# Altium PCB Austindetz_CM4_Board_v1.0.PcbDoc (part 4 of 6) (continued)
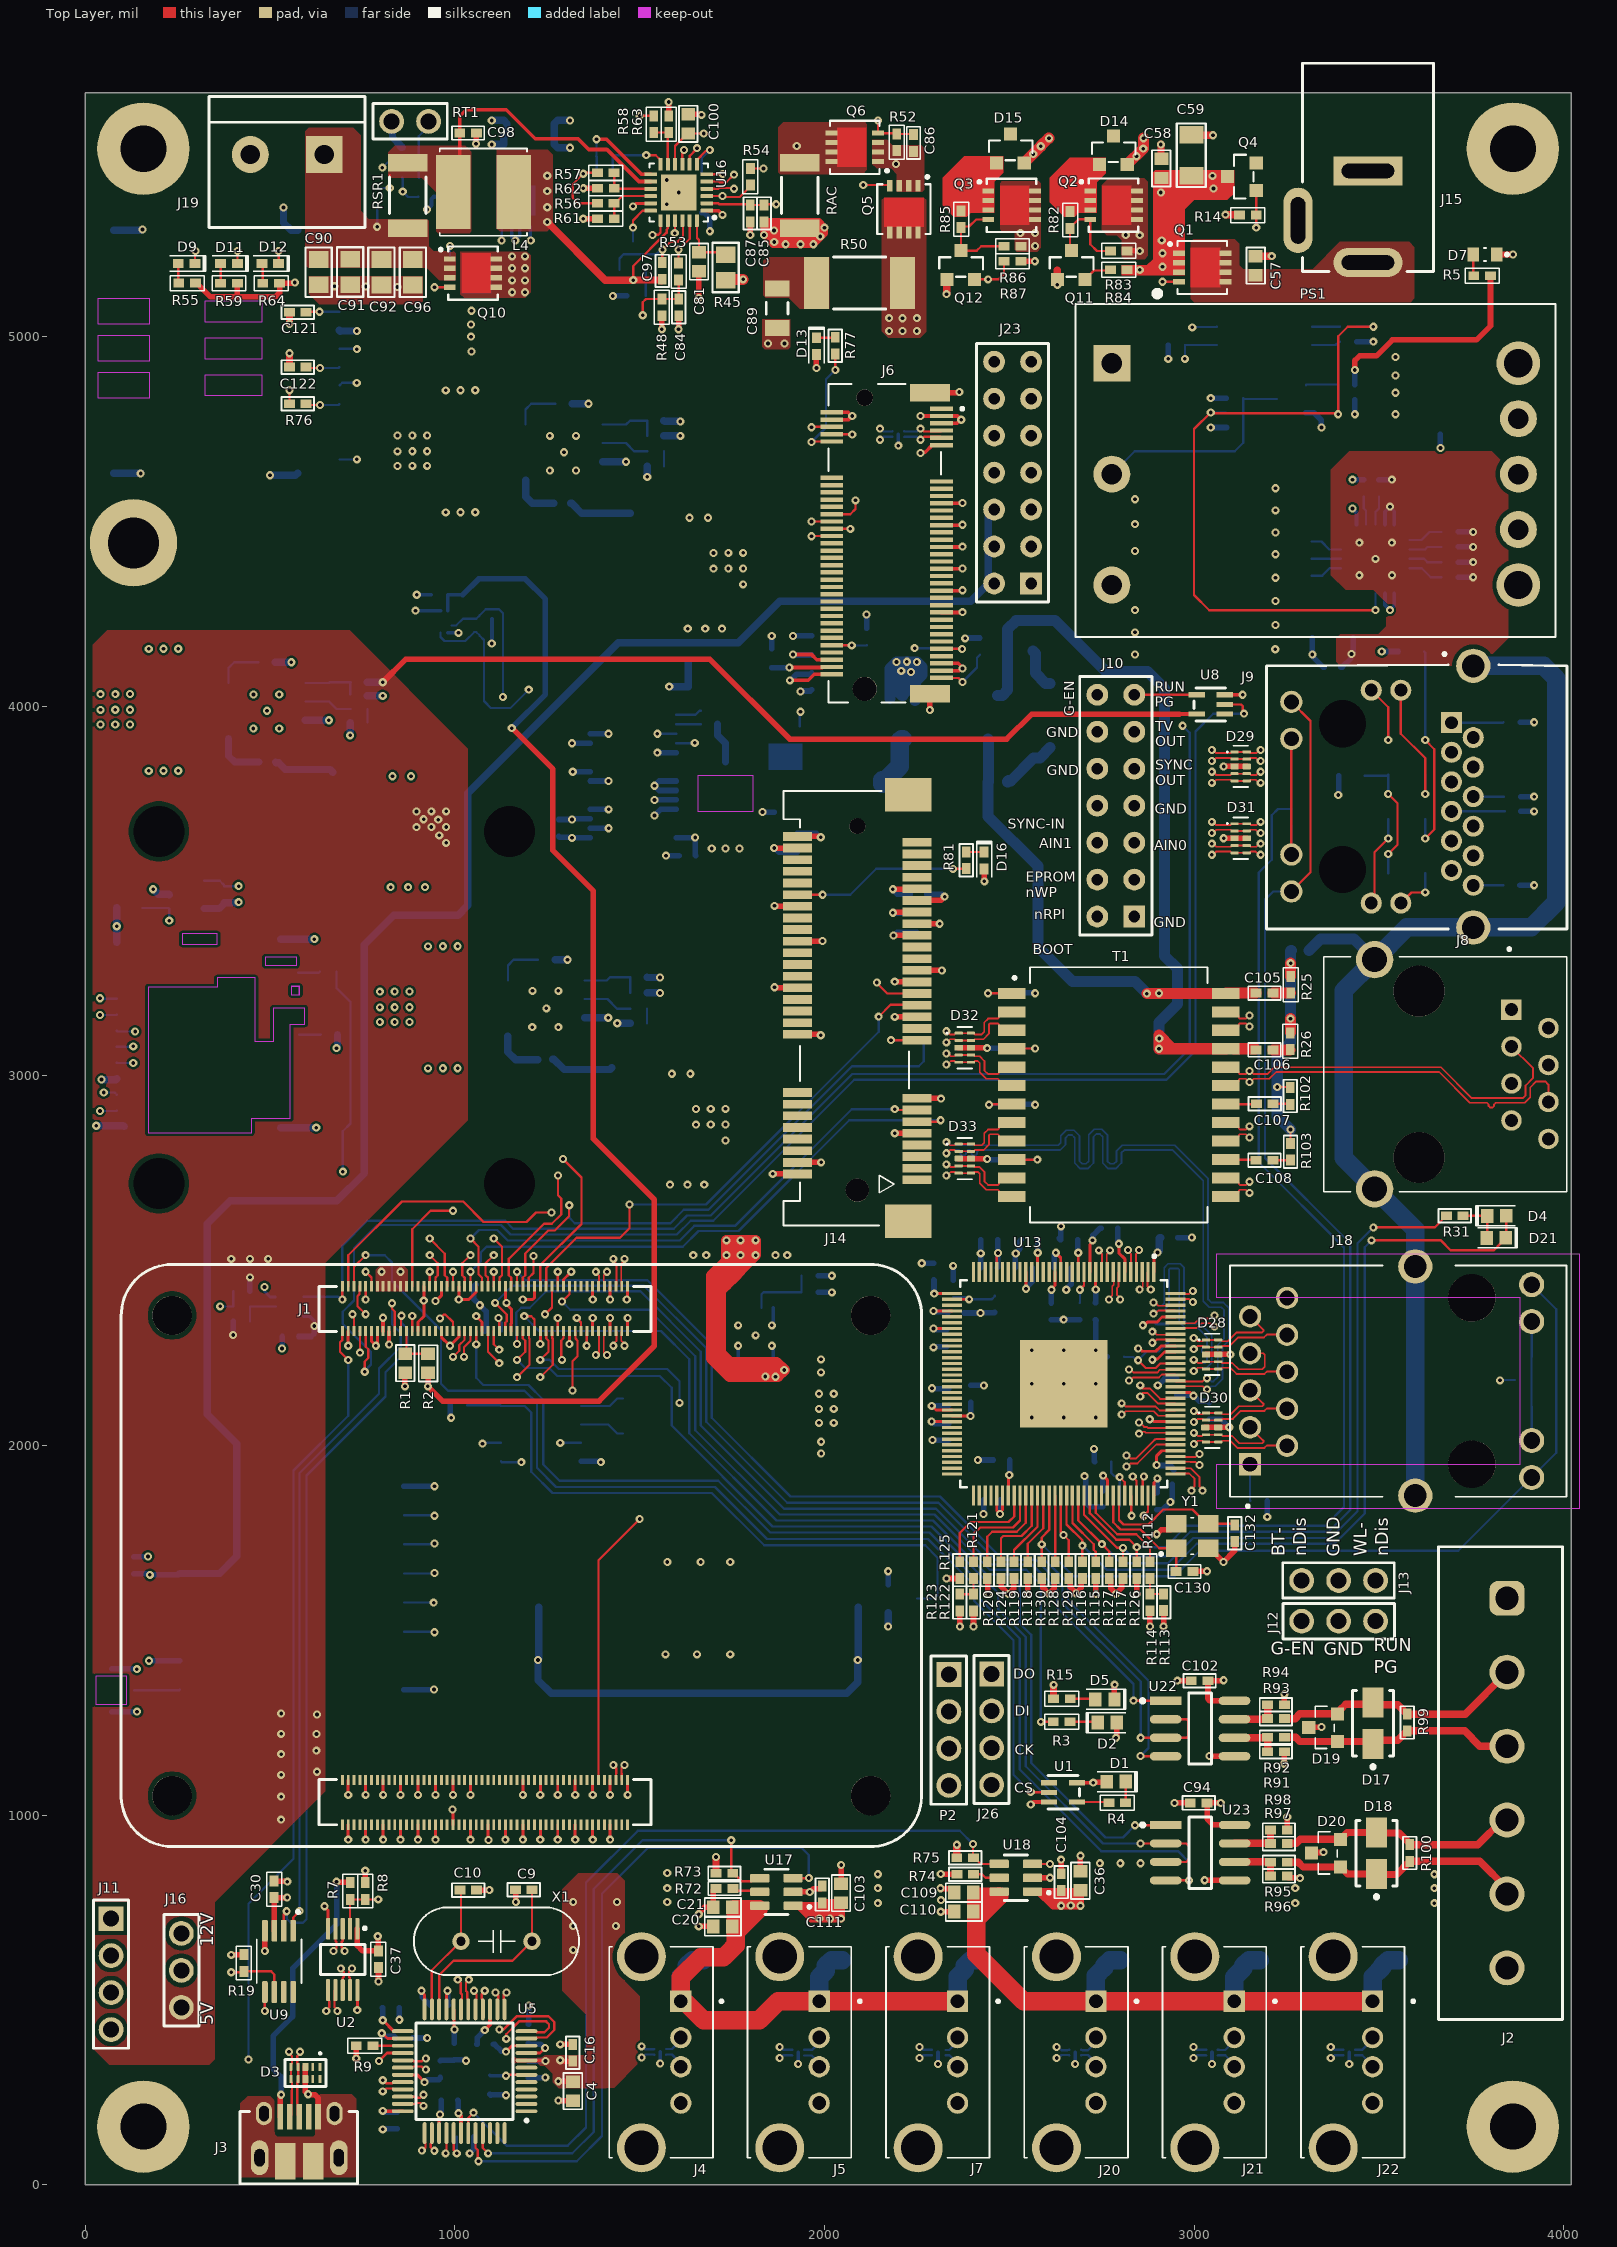
[diagram p0: Top Layer view]
## Nets (pads, with @x,y where several pads share a name; then routed paths per layer and width w, separated by ;. In a path a pad name is that pad's centre, name@x,y a point inside that pad or via, vN(x,y) a via of type N, cw(c..) or ccw(c..) an arc to the next point about the centre after c; other vN are vias at no path point) (continued)
  Bottom Layer w6.16: U11.5@1351.44,3257.8 1410.61,3257.8 1419.91,3267.11 R28.2@1474.48,3267.11 1474.48,3224.51 R29.1@1474.4,3224.43
NetR30_1: R30.1 U11.6 | length 133.8
  Bottom Layer w6.16: U11.6@1351.44,3207.8 1412.76,3207.8 1438.92,3181.64 R30.1@1474.4,3181.64
NetR34_1: R34.1 U3.18 | length 79.8
  Bottom Layer w6.16: R34.1@3318.07,4399.32 3318.63,4398.77 U3.18@3397.6,4398.77
NetR35_1: R35.1 U3.17 | length 87.8
  Bottom Layer w6.16: R35.1@3318.07,4353.16 3346.25,4353.16 3366.27,4373.18 U3.17@3397.6,4373.18
NetR39_1: R39.1 U3.7 | length 88.7
  Bottom Layer w6.16: U3.7@3583.43,4424.36 3624.28,4424.36 3630.89,4430.96 R39.1@3669.4,4430.96
NetR41_1: R41.1 U3.8 | length 89.6
  Bottom Layer w6.16: U3.8@3583.43,4398.77 3622.1,4398.77 3630.89,4389.98 R41.1@3669.4,4389.98
NetR42_1: R42.1 U3.19 | length 88.3
  Bottom Layer w6.16: R42.1@3318.07,4445.48 3344.41,4445.48 3365.53,4424.36 U3.19@3397.6,4424.36
NetR43_1: R43.1 U3.9 | length 96
  Bottom Layer w6.16: U3.9@3583.43,4373.18 3616.02,4373.18 3640.15,4349.05 R43.1@3669.4,4349.05
NetR44_2: R44.2 U12.1 | length 76.1
  Bottom Layer w6.16: U12.1@3318.8,5027.11 3394.52,5027.11 R44.2@3394.76,5026.87
NetR46_2: R46.2 R47.2 R51.1 RT1.1 | length 163.2
  Bottom Layer w6.16: R47.2@902.72,5430.17 902.24,5430.65 902.24,5470.71 902.24,5511.62 902.24,5542.11 928.85,5568.72 RT1.1@928.85,5582.17
NetR53_2: R53.2 U16.23 | length 127.7
  Top Layer w6.16: R53.2@1605.11,5198.73 v1(1605.11,5234.98) 1635.19,5265.06 U16.23@1635.19,5313.93
NetR54_2: R54.2 U16.3 | length 134.1
  Top Layer w6.16: U16.3@1681.85,5380.27 v1(1724.14,5380.27) 1726.51,5377.9 1770.78,5377.9 1799.91,5407.03 R54.2@1799.91,5409.98
NetR68_2: R68.2 U12.2 | length 79.8
  Bottom Layer w6.16: U12.2@3318.8,4977.11 3382.46,4977.11 3391.81,4986.46 R68.2@3394.76,4986.46
NetR69_2: R69.2 U12.3 | length 123
  Bottom Layer w6.16: v1(2974.91,4939.98) 2975.04,4940.11 R69.2@2975.04,4977.04 2975.11,4977.11 U12.3@3060.92,4977.11
NetR72_2: R72.2 U17.5 | length 76.8
  Top Layer w6.16: R72.2@1751.95,801.52 1758.06,795.4 1821.73,795.4 U17.5@1824.88,792.25
NetR74_2: R74.2 U18.5 | length 73.1
  Top Layer w6.16: R74.2@2403.3,839.86 2426.12,839.86 2435.39,830.6 U18.5@2472.59,830.6
NetR91_1: R91.1 R92.1 U22.6 | length 129.2
  Top Layer w20: U22.6@3109.18,1209.32 3197.42,1209.32 R92.1@3198.77,1210.66 R91.1@3198.77,1171.58
NetR93_1: R93.1 R94.1 U22.7 | length 127.5
  Top Layer w20: U22.7@3109.18,1259.32 3196.8,1259.32 R93.1@3198.77,1261.29 R94.1@3198.77,1298.43
NetR95_1: R95.1 R96.1 U23.6 | length 134.7
  Top Layer w20: U23.6@3109.49,873.53 3205.47,873.53 R96.1@3206.72,872.27 R95.1@3206.72,835.28
NetR97_1: R97.1 R98.1 U23.7 | length 134.1
  Top Layer w20: U23.7@3109.49,923.53 3206.25,923.53 R97.1@3206.72,923.05 R98.1@3206.72,959.69
NetR112_2: R112.2 R113.1 R114.1 | length 79.1
  Top Layer w6.16: R112.2@2880.46,1640.22 R114.1@2880.46,1598.2 2917.11,1598.2 R113.1@2917.38,1598.46
NetR121_2: R121.2 R122.1 R123.1 | length 79.3
  Top Layer w6.16: R123.1@2366.19,1597.89 R122.1@2403.14,1597.89 R121.2@2403.14,1640.22
NetR147_1: R147.1 U25.16 | length 66.6
  Bottom Layer w6.16: U25.16@1598.77,3951.3 1664.98,3951.3 R147.1@1665.29,3950.98
NetR149_1: R149.1 U25.15 | length 70.7
  Bottom Layer w6.16: U25.15@1598.77,3976.89 1650.87,3976.89 1661.96,3987.98 R149.1@1664.92,3987.98
NetR150_1: R150.1 R151.1 U25.18 | length 352.2
  03_SIg1 w20: v1(1580.07,4053.02) 1580.07,3969.82 v1(1648.91,3900.98)
  Bottom Layer w6.16: U25.18@1598.77,3900.12 1648.04,3900.12 v1(1648.91,3900.98)
  Bottom Layer w20: v1(1580.07,4053.02) R150.1@1630.97,4053.02 R151.1@1630.97,4123.25
NetU6_1: U6.1 X2.2 | length 121.7
  Bottom Layer w6.16: U6.1@1341.49,2107.13 1419.07,2107.13 1439.17,2127.22 X2.2@1454.91,2127.22
NetU6_2: U6.2 X2.1 | length 123.5
  Bottom Layer w6.16: U6.2@1341.49,2057.13 1414.78,2057.13 1439.17,2032.74 X2.1@1454.91,2032.74
nEXT-RST: J1.100 U5.40 | length 2908.6
  Top Layer w6.16: J1.100@695.66,2309.51 695.66,2285.46 689.33,2279.13 689.33,2253.44 v1(711.41,2231.36) ; v1(974.91,84.98) 977.11,87.18 U5.40@977.11,139.89
  03_SIg1 w5.61: v1(441.91,338.98) 469.91,310.98 724.91,310.98 747.91,287.98 747.91,137.98 840.91,44.98 934.91,44.98 v1(974.91,84.98)
  Bottom Layer w6.16: v1@441.91,339.29 441.91,760.25 563.4,881.74 563.4,1932.47 711.41,2080.48 v1(711.41,2231.36)
nPWR-LED: J1.95 U1.2 | length 3002.9
  Top Layer w6.16: J1.95@727.15,2430.77 727.15,2483.49 v1(758.65,2514.98) ; v1(2557.91,1062.98) 2558.57,1062.33 2606.67,1062.33 U1.2@2607.33,1061.67
  Bottom Layer w6.16: v1(758.65,2514.98) 810.33,2514.98 829.91,2495.4 829.91,2444.98 962.66,2312.23 962.66,2167.23 981.57,2148.32 1188.66,2148.32 1222.16,2114.82 1222.16,1939.73 1273.82,1888.08 1703.68,1888.08 1844.36,1747.4 2279.7,1747.4 2405.39,1621.71 2405.39,1579.49 2511.59,1473.29 2511.59,1109.3 v1(2557.91,1062.98)
nRPI-BOOT: J1.93 J10.2 | length 3280.9
  Top Layer w6.16: J1.93@742.9,2430.77 742.05,2429.91 742.05,2409.6 736.57,2404.13 736.57,2377.06 v1(758.65,2354.98)
  03_SIg1 w5.61: v1(758.65,2354.98) 736.85,2376.79 708.05,2376.79 673.14,2341.87 673.14,2197.08 772.23,2097.98 1399.44,2097.98 1536.05,2234.59 1536.05,2463.88 1838.13,2765.97 1838.13,3017.09 2015.64,3194.6 2337.64,3194.6 2574.15,3431.11 J10.2@2738.04,3431.11
nRTC-INT: C18.1 R16.1 U6.3 | length 1205.5
  03_SIg1 w5.61: v1(364.91,2376.4) 463.5,2376.4 794.22,2045.68 1246.36,2045.68 v1(1284.91,2007.13)
  Bottom Layer w6.16: v1(364.91,2376.4) C18.1@400.15,2376.4 R16.1@400.15,2417.14 ; v1(1284.91,2007.13) U6.3@1341.49,2007.13
OVCJ1: R73.1 U5.45 U17.4 | length 1631
  Top Layer w6.16: U5.45@1075.53,139.88 1075.53,99.36 v1(1089.91,84.98) ; v1(1747.53,932.17) 1747.53,847.06 1760.53,834.06 1763.6,834.06 1776.41,821.24 1802.09,821.24 1810.51,829.66 U17.4@1824.88,829.66
  Bottom Layer w6.16: v1(1089.91,84.98) 1317.84,84.98 1375.89,143.04 1375.89,800.28 1507.78,932.17 v1(1747.53,932.17)
OVCJ5: R75.1 U5.43 U18.4 | length 2319.2
  Top Layer w6.16: U5.43@1036.16,139.88 1036.16,180.8 v1(1050.54,195.18) ; v1(2401.62,921.9) 2401.62,885.97 R75.1@2403.15,884.43 2406.1,884.43 2422.54,868 U18.4@2472.59,868
  Bottom Layer w6.16: v1(1050.54,195.18) 1139.76,105.96 1305.6,105.96 1354.91,155.26 1354.91,817.5 1495.12,957.71 2365.81,957.71 v1(2401.62,921.9)
P0LED0: R112.1 U13.86 | length 270.3
  Top Layer w6.16: U13.86@2733.67,1864.76 2733.67,1818.27 2791.96,1759.98 2843.65,1759.98 2880.46,1723.17 R112.1@2880.46,1685.5
P0LED1: R104.1 R126.1 U13.85 | length 2899
  Top Layer w6.16: U13.85@2717.93,1864.76 2717.93,1816.95 2789.49,1745.4 2824.49,1745.4 v1(2844.83,1725.07) R126.1@2844.83,1685.5
  Bottom Layer w6.16: v1(2844.83,1725.07) 2922.43,1725.07 2980.05,1782.68 3354.74,1782.68 3405.42,1833.36 3405.42,2535.87 3174.91,2766.38 3174.91,3549.98 3209.91,3584.98 3209.91,3704.98 3226.8,3721.87 R104.1@3262.49,3721.87
P0LED2: J9.17 J9.20 R117.1 U13.84 | length 3291.5
  Top Layer w6.16: U13.84@2702.18,1864.76 2702.18,1812.76 2791.64,1723.3 2807.66,1723.3 v1(2807.8,1723.16) R117.1@2807.8,1685.5 ; J9.20@3263.04,3498.96 3314.91,3550.83 3314.91,3960.09 J9.17@3263.04,4011.95
  Bottom Layer w6.16: v1(2807.8,1723.16) 2830.98,1699.98 2922.76,1699.98 2989.49,1766.71 3363.2,1766.71 3422.4,1825.9 3422.4,2547.5 3191.86,2778.03 3191.86,3476.94 3213.89,3498.96 J9.20@3263.04,3498.96
P1_N: FL1.C2 J4.3 | length 59.5
  Bottom Layer w6.23: FL1.C2@1571.06,351.51 1571.78,352.23 FL1.C2@1574.45,352.23 ; J4.3@1611.31,319.27 1601.26,329.32 1601.26,338.34 1587.33,352.27 FL1.C2@1574.48,352.27 ; FL1.C2@1574.45,352.23 FL1.C2@1574.48,352.27
P1_P: FL1.C1 J4.2 | length 56.9
  Bottom Layer w6.23: FL1.C1@1571.06,367.26 1587.19,367.26 1611.31,391.38 J4.2@1611.31,398.01
P1LED0: R115.1 U13.82 | length 205.6
  Top Layer w6.16: U13.82@2670.68,1864.76 2670.68,1790.58 2728.37,1732.9 2728.37,1717.94 2734.16,1712.14 R115.1@2734.16,1685.5
P1LED1: R31.1 R127.1 U13.83 | length 1981.4
  Top Layer w6.16: U13.83@2686.43,1864.76 2686.43,1797.28 v1(2750.45,1733.27) 2770.59,1713.12 R127.1@2770.59,1685.5 ; v1(3484.91,2589.98) 3485.74,2590.81 3651.43,2590.81 R31.1@3682.23,2621.61
  Bottom Layer w6.16: v1(2750.45,1733.27) 2802.21,1681.5 2929.43,1681.5 2997.91,1749.98 3369.91,1749.98 3441.91,1821.98 3441.91,2546.98 v1(3484.91,2589.98)
P1LED2: D4.1 D21.2 R116.1 U13.81 | length 2246.9
  Top Layer w6.16: U13.81@2654.93,1864.76 2654.93,1786.57 2697.67,1743.83 v1(2697.67,1729.22) R116.1@2697.67,1685.5 ; v1(3479.91,2554.98) 3667.54,2554.98 3694.57,2527.95 3810.68,2527.95 3829.15,2546.42 3829.65,2546.42 3844.54,2561.31 D4.1@3844.54,2621.54
  Bottom Layer w6.16: v1(2697.67,1729.22) 2762.62,1664.27 2936.86,1664.27 3007.13,1734.54 3379.91,1734.54 3461.58,1816.22 3461.58,2536.66 v1(3479.91,2554.98)
P2_N: FL3.C2 J5.3 | length 60.1
  Bottom Layer w6.23: FL3.C2@1944.45,349.91 1965.69,349.91 1985.62,329.98 J5.3@1985.62,319.27
P2_P: FL3.C1 J5.2 | length 63.1
  Bottom Layer w6.23: FL3.C1@1944.45,365.66 1945.17,364.94 1947.84,364.94 1947.87,364.9 1966.02,364.9 1985.62,384.5 J5.2@1985.62,398.01
P2LED0: R128.1 U13.79 | length 179.6
  Top Layer w6.16: U13.79@2623.44,1864.76 2624.24,1863.96 R128.1@2624.24,1685.5
P2LED1: R106.1 R129.1 U13.80 | length 1660.7
  Top Layer w6.16: U13.80@2639.19,1864.76 2639.19,1765.25 v1(2646.39,1758.05) 2661.02,1743.43 R129.1@2661.02,1685.5
  03_SIg1 w5.61: v1(2646.39,1758.05) 2676.61,1788.27 2933.2,1788.27 2963.91,1818.98 2963.91,1904.55 2978.23,1918.87 3038.58,1918.87 3048.86,1929.15 3048.86,1975.84 3067.91,1994.88 3165.09,1994.88 3219.39,2049.18 3330.92,2049.18 3458.02,2176.27 v1(3827.26,2176.27)
  Bottom Layer w6.16: v1(3827.26,2176.27) 3828.26,2177.28 R106.1@3867.68,2177.28
P2LED2: J18.11 J18.14 R130.1 U13.78 | length 2236.2
  Top Layer w6.16: R130.1@2587.49,1685.5 2587.49,1750.96 2607.69,1771.16 U13.78@2607.69,1864.76
  Bottom Layer w6.16: v1(2587.69,1732.63) 2673.69,1646.64 2946.56,1646.64 3014.91,1714.98 3714.67,1714.98 3979.91,1980.22 3979.91,2368.54 J18.14@3913.24,2435.21
P3_N: FL8.C2 J7.3 | length 51
  Bottom Layer w6.23: FL8.C2@2327.49,350.45 2338.4,350.45 2349.89,338.96 2349.89,329.32 J7.3@2359.94,319.27
P3_P: FL8.C1 J7.2 | length 52.8
  Bottom Layer w6.23: FL8.C1@2327.49,364.68 2337.73,364.68 2349.89,376.84 2349.89,387.96 J7.2@2359.94,398.01
P3LED0: R118.1 U13.77 | length 196.6
  Top Layer w6.16: R118.1@2550.18,1685.5 2550.18,1734.29 2591.94,1776.06 U13.77@2591.94,1864.76
P3LED1: R124.1 U13.75 | length 242.6
  Top Layer w6.16: R124.1@2477.44,1685.5 2477.44,1749.16 2483.28,1755 2532.63,1755 2560.45,1782.82 U13.75@2560.45,1864.76
P3LED2: R119.1 U13.76 | length 205.6
  Top Layer w6.16: R119.1@2512.72,1685.5 2512.72,1717.07 2576.19,1780.55 U13.76@2576.19,1864.76
P4_N: FL2.C2 J20.3 | length 63.3
  Bottom Layer w6.23: FL2.C2@2693.77,349.91 2694.75,350.89 2698.37,350.89 2698.82,351.34 2712.55,351.34 2734.25,329.64 J20.3@2734.25,319.27 ; J20.3@2735.16,342.78 J20.3@2738.02,342.78
P4_P: FL2.C1 J20.2 | length 62.4
  Bottom Layer w6.23: FL2.C1@2693.77,365.66 2694.75,364.68 2698.37,364.68 2698.82,364.22 2713.02,364.22 2734.25,385.45 J20.2@2734.25,398.01
P4LED0: R120.1 U13.74 | length 261.3
  Top Layer w6.16: R120.1@2440.48,1685.5 2440.48,1753.44 2453.71,1766.66 2520.05,1766.66 2544.7,1791.32 U13.74@2544.7,1864.76
P4LED1: R125.1 U13.72 | length 299.9
  Top Layer w6.16: R125.1@2366.19,1685.5 2366.19,1763.17 2395.92,1792.9 2497.94,1792.9 2513.2,1808.17 U13.72@2513.2,1864.76
P4LED2: R121.1 U13.73 | length 283.3
  Top Layer w6.16: R121.1@2403.14,1685.5 2403.14,1760.31 2421.16,1778.32 2509.87,1778.32 2528.95,1797.4 U13.73@2528.95,1864.76
P5_N: FL4.C2 J21.3 | length 61.8
  Bottom Layer w6.23: FL4.C2@3064.05,349.91 3064.78,350.63 FL4.C2@3067.44,350.63 ; FL4.C2@3067.46,350.65 3084,350.65 3108.56,326.09 J21.3@3108.56,319.27
P5_P: FL4.C1 J21.2 | length 63.6
  Bottom Layer w6.23: FL4.C1@3064.05,365.66 3064.78,364.94 3067.44,364.94 3067.5,364.88 3083.96,364.88 3108.56,389.48 J21.2@3108.56,398.01
P6_N: FL9.C2 J22.3 | length 62.6
  Bottom Layer w6.23: FL9.C2@3435.39,349.91 3436.12,350.63 3438.78,350.63 3438.82,350.67 3454.54,350.67 3482.88,322.33 J22.3@3482.88,319.27
P6_P: FL9.C1 J22.2 | length 64
  Bottom Layer w6.23: FL9.C1@3435.39,365.66 3436.12,364.94 3438.78,364.94 3438.82,364.9 3454.08,364.9 3472.83,383.64 3472.83,387.96 J22.2@3482.88,398.01
P7_N: FL5.C2 J6.9 | length 108.8
  Top Layer w6.23: v1(2259.91,4721.15) 2261.52,4721.15 2269.41,4729.03 2313.8,4729.03 J6.9@2316.53,4726.31
  Bottom Layer w6.23: FL5.C2@2215.66,4728.28 2216.38,4729 2219.04,4729 2219.08,4729.03 2250.41,4729.03 2258.3,4721.15 v1(2259.91,4721.15)
P7_P: FL5.C1 J6.7 | length 108.8
  Top Layer w6.23: v1(2259.91,4751.15) 2261.52,4751.15 2269.41,4743.26 2313.8,4743.26 J6.7@2316.53,4745.99
  Bottom Layer w6.23: FL5.C1@2215.66,4744.02 2216.38,4743.3 2219.04,4743.3 2219.08,4743.26 2250.41,4743.26 2258.3,4751.15 v1(2259.91,4751.15)
P_VDD: C79.1 C80.1 C95.1 C138.1 C139.1 D8.2 D25.1 FB1.2 L5.2 PS1.1 R5.1 R6.2 R34.2 R35.2 R37.1 R38.1 R42.2 U3.1 U25.28 | length 1529.9
  Top Layer w15: v1(3434.8,4909.98) 3434.8,4935.49 3447.46,4948.15 3493.08,4948.15 3536.3,4991.37 3763.86,4991.37 3801.8,5029.31 R5.1@3801.8,5164.43
  Bottom Layer w10: v1(3428.51,4535.11) 3439.34,4524.28 U3.1@3439.34,4491.68
  Bottom Layer w15: U25.28@1598.77,3644.21 1649.14,3644.21 v1(1649.91,3644.98) 1650.73,3644.16 1650.73,3596.69 C138.1@1651.56,3595.86 ; v1(1832.09,3714.1) 1832.47,3713.72 1864.02,3713.72 C139.1@1864.4,3713.33 ; v1(3044.91,4833.67) R38.1@3087.5,4833.67 ; D8.2@3319.79,4184.98 3319.79,4140.1 v1(3319.91,4139.98) 3321.25,4138.64 3321.25,4133.64 3349.12,4105.77 C95.1@3352.08,4105.77 ; v1(3428.51,4613.05) R6.2@3458.72,4613.05 ; v1(3434.8,4909.98) 3434.88,4909.91 R37.1@3434.88,4870.3 ; v1(3507.65,4148.2) FB1.2@3551.82,4148.2
  Bottom Layer w30: L5.2@2177.53,4020.84 2177.53,4102.61 v1(2194.91,4119.98) ; L5.2@2211.96,4029.04 L5.2@2209.41,4029.04 ; v1(2222.73,4120.38) v1@2222.73,4119.98 ; L5.2@2244.67,4015.82 2245.96,4017.11 2245.96,4066.57 ; v1(2194.91,4119.98) v1@2222.73,4119.98 ; v1(2194.91,4119.98) 2194.91,4043.54 L5.2@2209.41,4029.04 ; L5.2@2209.41,4029.04 2222.73,4042.36 v1@2222.73,4119.98 ; v1@2222.73,4119.98 v1(2249.91,4119.98) ; 2245.96,4066.57 2245.96,4116.03 v1(2249.91,4119.98) ; 2245.96,4066.57 2263.85,4084.46 2263.85,4106.04 v1(2249.91,4119.98)
  other v1: 1694.91,3614.98 1732.07,3614.98 1769.91,3614.98 2234.22,4092.88 2207.46,4095.73 3219.35,4154.37 3219.91,4219.98 3219.91,4284.98 3219.91,4347.59 3219.91,4411.13 3219.91,4469.98 3219.91,4529.98 3219.91,4589.98
PD_1_N: J8.2 T1.22 | length 1008.4
  Top Layer w4.88: T1.22@3085.74,3123.45 3108.18,3123.45 3120.7,3135.97 3120.7,3139.15 3123.56,3142.01 3139.91,3142.01 3148.47,3133.45 v1(3149.91,3133.45)
  03_SIg1 w4.44: v1(3149.91,3133.45) 3152.51,3133.45 3161.29,3142.23 3197.67,3142.23 3267.35,3072.54 3334.15,3072.54 3345.17,3072.54 3359.79,3087.16 3359.79,3110.87 3367.12,3118.2 3376.9,3118.2 3384.23,3110.87 3384.23,3087.16 3398.85,3072.54 3448.91,3072.54 3615.06,3072.54 3659.86,3117.34 3890.56,3117.34 3903.71,3130.49 3957.39,3130.49 J8.2@3958.47,3129.41
PD_1_P: J8.1 T1.23 | length 1007.9
  Top Layer w4.88: T1.23@3085.74,3173.45 3108.18,3173.45 3120.7,3160.93 3120.7,3157.75 3123.56,3154.89 3139.91,3154.89 3148.47,3163.45 v1(3149.91,3163.45)
  03_SIg1 w4.44: v1(3149.91,3163.45) 3152.51,3163.45 3161.29,3154.67 3202.82,3154.67 3272.5,3084.98 3334.15,3084.98 3340.02,3084.98 3347.35,3092.32 3347.35,3116.02 3361.97,3130.64 3382.05,3130.64 3396.67,3116.02 3396.67,3092.32 3404,3084.98 3448.91,3084.98 3609.91,3084.98 3654.71,3129.78 3784.91,3129.78 3787.13,3129.78 3791.46,3134.11 3791.46,3135.46 3795.79,3139.8 3801.57,3139.8 3805.9,3135.46 3805.9,3134.11 3810.23,3129.78 3814.95,3129.78 3885.41,3129.78 3894.91,3139.29 3894.91,3142.97 J8.1@3858.47,3179.41
PD_2_N: J8.6 T1.19 | length 1036.9
  Top Layer w4.88: T1.19@3085.74,2973.45 3108.18,2973.45 3120.7,2985.97 3120.7,2989.15 3123.56,2992.01 3139.91,2992.01 3148.47,2983.45 v1(3149.91,2983.45) 3152.77,2983.45 3161.33,2992.01 3203.58,2992.01 3222.14,3010.57 3662.59,3010.57 3746.06,2927.1 3774.91,2927.1 3792.23,2927.1 3796.69,2922.64 3796.69,2918.69 3801.16,2914.22 3807.11,2914.22 3811.57,2918.69 3811.57,2922.64 3816.04,2927.1 3820.19,2927.1 3894.33,2927.1 3909.51,2942.29 3909.51,2968.61 3925.88,2984.98 3949.91,2984.98 3958.47,2976.42 J8.6@3958.47,2929.41
PD_2_P: J8.3 T1.20 | length 1036.9
  Top Layer w4.88: T1.20@3085.74,3023.45 3108.18,3023.45 3120.7,3010.93 3120.7,3007.75 3123.56,3004.89 3139.91,3004.89 3148.47,3013.45 v1(3149.91,3013.45) 3152.77,3013.45 3161.33,3004.89 3198.24,3004.89 3216.8,3023.45 3667.93,3023.45 3751.39,2939.98 3888.99,2939.98 3896.63,2947.62 3896.63,2973.94 3916.36,2993.68 3916.36,3021.52 J8.3@3858.47,3079.41
PD_3_N: J8.5 T1.16 | length 1015
  Top Layer w4.88: T1.16@3085.74,2823.45 3108.18,2823.45 3120.7,2835.97 3120.7,2839.15 3123.56,2842.01 3139.91,2842.01 3148.47,2833.45 v1(3149.91,2833.45)
  03_SIg1 w4.44: v1(3149.91,2833.45) 3152.51,2833.45 3161.29,2842.23 3184.75,2842.23 3364.64,3022.13 3432.42,3022.13 3475.17,3022.13 3482.5,3014.79 3482.5,2999.65 3497.12,2985.04 3517.2,2985.04 3531.82,2999.65 3531.82,3014.79 3539.15,3022.13 3566.56,3022.13 3780.91,3022.13 3797.57,3022.13 3801.9,3017.79 3801.9,3016.44 3806.23,3012.11 3812.01,3012.11 3816.34,3016.44 3816.34,3017.79 3820.67,3022.13 3824.97,3022.13 3892.31,3022.13 3894.91,3019.52 3894.91,3015.85 J8.5@3858.47,2979.41
PD_3_P: J8.4 T1.17 | length 1015.5
  Top Layer w4.88: T1.17@3085.74,2873.45 3108.18,2873.45 3120.7,2860.93 3120.7,2857.75 3123.56,2854.89 3139.91,2854.89 3148.47,2863.45 v1(3149.91,2863.45)
  03_SIg1 w4.44: v1(3149.91,2863.45) 3152.51,2863.45 3161.29,2854.67 3179.59,2854.67 3359.49,3034.57 3432.42,3034.57 3480.32,3034.57 3494.94,3019.95 3494.94,3004.81 3502.27,2997.48 3512.05,2997.48 3519.38,3004.81 3519.38,3019.95 3534,3034.57 3566.56,3034.57 3897.46,3034.57 3903.71,3028.32 3957.39,3028.32 J8.4@3958.47,3029.41
PD_4_N: J8.8 T1.13 | length 1015.5
  Top Layer w4.88: T1.13@3085.74,2673.45 3108.18,2673.45 3120.7,2685.97 3120.7,2689.15 3123.56,2692.01 3139.91,2692.01 3148.47,2683.45 v1(3149.91,2683.45)
  03_SIg1 w4.44: v1(3149.91,2683.45) 3152.51,2683.45 3161.29,2692.23 3219.75,2692.23 3432.5,2904.98 3692.32,2904.98 3774.76,2822.54 3895.76,2822.54 3903.71,2830.49 3957.39,2830.49 J8.8@3958.47,2829.41
PD_4_P: J8.7 T1.14 | length 1015
  Top Layer w4.88: T1.14@3085.74,2723.45 3108.18,2723.45 3120.7,2710.93 3120.7,2707.75 3123.56,2704.89 3139.91,2704.89 3148.47,2713.45 v1(3149.91,2713.45)
  03_SIg1 w4.44: v1(3149.91,2713.45) 3152.51,2713.45 3161.29,2704.67 3214.59,2704.67 3427.35,2917.42 3697.47,2917.42 3779.91,2834.98 3793.82,2834.98 3796.05,2834.98 3800.38,2839.32 3800.38,2840.67 3804.71,2845 3810.49,2845 3814.82,2840.67 3814.82,2839.32 3819.15,2834.98 3825.01,2834.98 3890.61,2834.98 3894.91,2839.29 3894.91,2842.97 J8.7@3858.47,2879.41
PG: D12.2 U16.8 | length 1359.2
  Top Layer w6.16: D12.2@523.25,5198 v1(523.25,5231.65) ; U16.8@1635.19,5466.29 1635.19,5489.04 1654.91,5508.76 v1(1654.91,5509.98)
  03_SIg1 w5.61: v1(523.25,5231.65) 550.81,5259.21 813.16,5259.21 848.1,5294.15 1218.49,5294.15 1250.73,5261.91 1355.85,5261.91 1573.92,5479.98 1624.91,5479.98 v1(1654.91,5509.98)
PH: C97.1 L4.1 Q7.D Q8.S U16.20 | length 584
  Top Layer w6.16: v1(1482.68,5152.9) 1482.68,5191.26 1572.83,5281.41 1572.83,5289.13 1576.14,5292.44 U16.20@1576.14,5313.93 ; C97.1@1555.81,5150.18 C97.1@1560.89,5155.26
  Top Layer w20: v1(1249.99,5309.98) 1407.07,5152.9 v1(1482.68,5152.9) 1483.06,5153.28 1559.08,5153.28 C97.1@1559.08,5150.5
  other v1: 1249.91,5349.98 1249.99,5393.73 1249.99,5435.38
PLL0: C135.1 R110.1 U13.116 | length 262.1
  Top Layer w6.16: v1(2848.41,2230.56) 2869.07,2209.91 2896.06,2209.91 2908.27,2222.13 U13.116@2949.31,2222.13
  Bottom Layer w6.16: C135.1@2810.46,2239.83 C135.1@2810.34,2239.7 2834.99,2239.7 2844.13,2230.56 v1(2848.41,2230.56) 2871.92,2254.07 2904.39,2254.07 2930.46,2280.14 R110.1@2930.46,2283.09
PLL1: C136.1 R111.1 U13.34 | length 166.8
  Top Layer w6.16: U13.34@2344.81,2395.36 v1(2391.28,2395.36)
  Bottom Layer w6.16: R111.1@2348.38,2402.09 2380.26,2402.09 2386.99,2395.36 v1(2391.28,2395.36) 2451.86,2395.36 2460.59,2404.09 C136.1@2460.59,2405.76
POE_ACTIVE: Q9.1 R37.2 R40.1 R44.1 R70.1 U3.13 | length 1986.4
  Top Layer w6.16: v1(3484.91,5026.87) 3415.41,5026.87 3389.6,5001.07 v1(3389.6,4789.98) 3387.1,4792.48 3047.41,4792.48 v1(3044.91,4794.98) 2999.91,4749.98 2999.91,4300.85 3040.77,4259.98 v1(3490.52,4259.98)
  Bottom Layer w6.16: v1(3044.91,4794.98) 3085.62,4794.98 R40.1@3087.5,4793.1 ; Q9.1@3302.4,4868.84 3303.86,4870.3 R37.2@3389.6,4870.3 3389.6,4829.06 R70.1@3389.52,4828.98 3389.52,4790.06 v1(3389.6,4789.98) ; R44.1@3440.03,5026.87 v1(3484.91,5026.87) ; v1(3490.52,4259.98) U3.13@3490.52,4305.86
PR12: CD1.2 J9.13 | length 205.9
  Top Layer w6.16: J9.13@3479.18,4043.45 3525.13,3997.51 v1(3525.13,3908.52)
  Bottom Layer w6.16: v1(3525.13,3908.52) CD1.2@3525.13,3960.42
PR36: CD1.3 J9.14 | length 360.3
  Top Layer w6.16: J9.14@3559.11,4043.45 3559.11,3925.79 3625.13,3859.77 v1(3625.13,3762.63)
  Bottom Layer w6.16: v1(3625.13,3762.63) CD1.3@3625.13,3814.75
PR45: CD2.2 J9.15 | length 245.6
  Top Layer w6.16: J9.15@3479.18,3467.46 3479.18,3475.36 3488,3484.18 3488,3604.99 v1(3525.13,3642.12)
  Bottom Layer w6.16: v1(3525.13,3642.12) CD2.2@3525.13,3694.02
PR78: CD2.3 J9.16 | length 129.9
  Top Layer w6.16: J9.16@3559.11,3467.46 3588.09,3496.45 v1(3625.13,3496.45)
  Bottom Layer w6.16: v1(3625.13,3496.45) CD2.3@3625.13,3548.35
PWR1: U5.44 U17.3 U18.3 | length 2537.1
  Top Layer w6.16: U5.44@1055.85,139.89 1055.85,100.27 1061.99,94.13 1061.99,65.61 v1(1064.01,63.59) ; U17.3@1915.03,829.66 1957.39,829.66 v1(1957.63,829.89) ; U18.3@2562.74,868 v1(2609.91,868)
  03_SIg1 w5.61: v1(1957.63,829.89) 2085.5,829.89 2123.6,868 v1(2609.91,868)
  Bottom Layer w6.16: v1(1064.01,63.59) 1329.56,63.59 1398.07,132.1 1398.07,787.48 1522.63,912.04 1937.85,912.04 1957.63,892.27 v1(1957.63,829.89)
RFM_ANT: J25.2 U24.9 | length 124
  Bottom Layer w6.16: J25.2@132.34,1337.88 254.81,1337.88 U24.9@255.88,1338.95
RFM_RESET: J1.24 U24.6 | length 1044.3
  Top Layer w6.16: v1(1289.91,2231.8) 1287.75,2233.95 1287.75,2283.76 1294.08,2290.09 J1.24@1294.08,2309.51
  04_SIg2 w5.61: v1(944.91,1494.98) 944.91,1543.58 976.05,1574.72 976.05,1638.77 1248.46,1911.18 1248.46,2070.19 1289.91,2111.64 v1(1289.91,2231.8)
  Bottom Layer w6.16: U24.6@862.18,1496.43 943.47,1496.43 v1(944.91,1494.98)
RP: C86.2 Q5.S Q6.S R45.1 R52.2 | length 646.6
  Top Layer w30: R45.1@1732.57,5152.71 1734.84,5154.98 v1(1779.91,5154.98)
  03_SIg1 w30: v1(1779.91,5154.98) 1976.66,5154.98 2193.42,5371.74 v1(2193.42,5466.8)
RPI-ACT: J1.21 R3.2 | length 2184.6
  Top Layer w6.16: v1(1289.91,2389.59) 1309.83,2409.51 J1.21@1309.83,2430.77 ; v1(2585.33,1252.39) R3.2@2618.86,1252.39
  Bottom Layer w6.16: v1(1289.91,2389.59) 1311.98,2367.51 1524.49,2367.51 1650.49,2241.51 1650.49,2041.6 1878.78,1813.31 2297.8,1813.31 2446.95,1664.16 2545.73,1664.16 2585.33,1624.57 v1(2585.33,1252.39)
RUN-PG: J1.92 J12.3 U8.2 | length 7952.9
  Top Layer w6.16: v1(756.07,2199.61) 756.07,2227.5 765.43,2236.85 765.43,2260.46 758.65,2267.23 J1.92@758.65,2309.51 ; U8.2@3082.91,4004.98 3127.1,4004.98 3131.88,4000.21 3131.88,3983.01 v1(3134.91,3979.98)
  04_SIg2 w5.61: v1(756.07,2199.61) 711.53,2155.06 711.53,1526.2 773.74,1463.98 1041.03,1463.98 1140.03,1562.98 3029.91,1562.98 3163.03,1696.1 3531.29,1696.1 3558.5,1668.89 3558.5,1592.39 J12.3@3490.96,1524.85
  Bottom Layer w6.16: v1(756.07,2199.61) 756.07,2201.78 773.21,2218.92 773.21,2252.67 696.91,2328.97 696.91,2361.98 727.22,2392.29 727.22,2533.97 789.77,2596.52 1124.64,2596.52 1150.35,2570.81 1600.53,2570.81 1638.07,2608.35 1699.33,2608.35 2080.33,2989.35 2925.33,2989.35 3003.73,3067.75 3003.73,3932.05 3051.66,3979.98 v1(3134.91,3979.98)
SCL0: J1.80 U9.2 | length 1932.9
  Top Layer w6.16: U9.2@537.05,687.3 537.05,732.11 v1(544.93,739.98) ; J1.80@853.14,2309.51 854,2310.37 854,2349.57 v1(855.47,2351.05)
  Bottom Layer w6.16: v1(544.93,739.98) 545.08,739.83 545.08,719.74 555.88,708.95 589.09,708.95 598.3,718.16 598.3,1918.84 812.06,2132.6 812.06,2198.09 871.42,2257.45 871.42,2315.69 855.47,2331.64 v1(855.47,2351.05)
SCL1: A1.4 J1.56 R32.2 | length 2570.7
  Top Layer w6: v1(1024.91,2239.98) 1024.91,2266.08 1042.12,2283.29 J1.56@1042.12,2309.51
  04_SIg2 w6: v1(1024.91,2239.98) 1024.91,2342.47 989.91,2377.47 989.91,2424.98 1019.91,2454.98 1019.91,2584.98 1054.91,2619.98 1054.91,3204.98 1344.91,3494.98 1344.91,3897.44 1199.88,4042.47 v1(1199.91,4044.98)
  Bottom Layer w6: A1.4@960.88,4198.66 960.88,4187.67 971.76,4176.8 1028.41,4176.8 1052.19,4200.58 1058.1,4200.58 1066.91,4191.77 1066.91,4190.99 1078.52,4179.38 1078.52,4014.36 1097.9,3994.98 1149.91,3994.98 v1(1199.91,4044.98)
SCL6: J1.47 P2.2 R109.2 U6.6 | length 2428.8
  Top Layer w6.16: J1.47@1105.11,2430.77 v1(1105.11,2469.98)
  03_SIg1 w5.61: v1(1074.91,2004.98) 1124.91,1954.98 1124.91,1811.9 1181.83,1754.98 1840.64,1754.98 1894.91,1700.72 1894.91,1394.97 1971.1,1318.78 2298.19,1318.78 P2.2@2336.65,1280.32
  04_SIg2 w5.61: v1(1074.91,2004.98) 1074.91,2169.98 1090.16,2185.23 1090.16,2420.33 1105.11,2435.28 v1(1105.11,2469.98)
  Bottom Layer w6.16: v1(1074.91,2004.98) 1077.06,2007.13 U6.6@1124.95,2007.13 ; R109.2@1103.3,2434.43 1105.11,2436.24 v1(1105.11,2469.98)
SD-CLK: J1.57 J24.5 | length 1888.3
  Top Layer w6.16: J1.57@1026.37,2430.77 1026.37,2454.51 1020.04,2460.84 1020.04,2492.9 v1(1042.12,2514.98)
  03_SIg1 w5.61: v1(129.91,3034.98) 144.91,3019.98 144.91,2843.25 154.82,2833.34 332.98,2833.34 369.11,2797.2 557.25,2797.2 560.06,2797.2 567.74,2804.89 567.74,2829.22 575.43,2836.9 585.67,2836.9 593.35,2829.22 593.35,2721.82 601.04,2714.13 611.28,2714.13 618.96,2721.82 618.96,2829.22 626.65,2836.9 636.89,2836.9 644.57,2829.22 644.57,2721.82 652.26,2714.13 662.5,2714.13 670.18,2721.82 670.18,2829.22 677.87,2836.9 688.11,2836.9 695.79,2829.22 695.79,2804.89 703.48,2797.2 723.91,2797.2 759.9,2797.2 v1(1042.12,2514.98)
  Bottom Layer w6.16: J24.5@85.33,3035.4 85.75,3034.98 v1(129.91,3034.98)
SD-CMD: J1.62 J24.3 | length 1938.5
  Top Layer w6.16: v1(959.68,2343.97) 970.44,2354.73 974.17,2354.73 994.87,2334.02 J1.62@994.87,2309.51
  03_SIg1 w5.61: v1(134.91,3119.98) 134.91,3249.98 168.77,3283.84 589.41,3283.84 617.8,3255.45 617.8,2978.38 1005.36,2590.82 1042.12,2590.82 1067.23,2565.71 1067.23,2460.28 1034.46,2427.52 1012.32,2427.52 971.91,2387.11 971.91,2356.2 v1(959.68,2343.97)
  Bottom Layer w6.16: J24.3@85.33,3122.02 87.36,3119.98 v1(134.91,3119.98)